# EAGLE board Mk4 Final a Panel score 2x5 (EAGLE 9.0.1), part 5 of 29
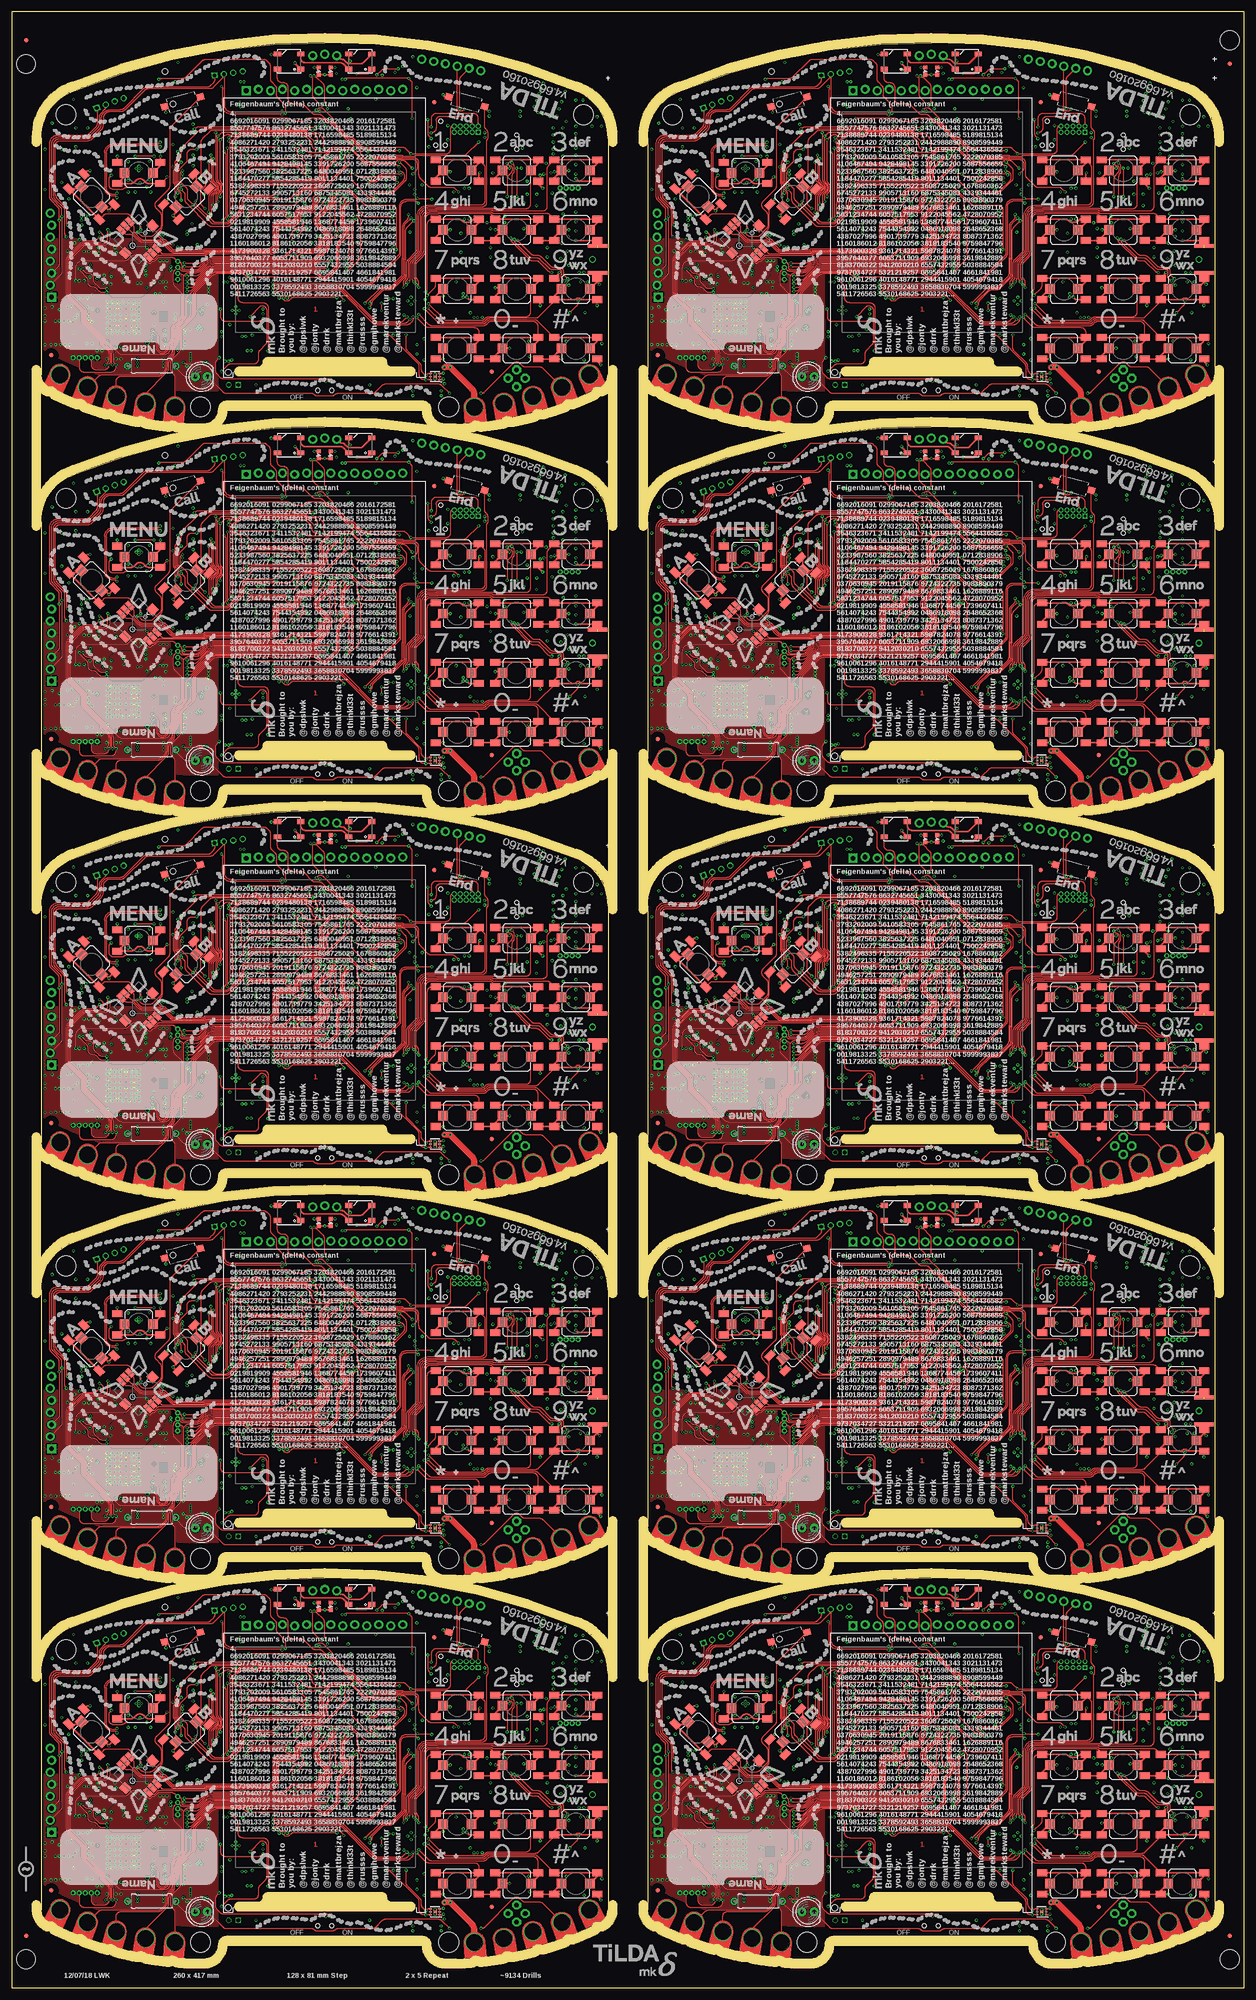
[diagram p0: board, top side]
## Library data of the parts
ANT1-ANT20 BATT BATT1-BATT9 C1-C31 C33-C71 C78 C79 C81-C141 C143-C172 C179 C180 C182-C249 C251-C280 C287 C288 C290-C357 C359-C388 C395 C396 C398-C465 C467-C496 C503 C504 C506-C573 C575-C604 C611 C612 C614-C681 C683-C712 C719 C720 C722-C789 C791-C820 C827 C828 C830-C897 C899-C928 C935 C936 C938-C1005 C1007-C1036 C1043 C1044 C1046-C1080 D1-D20 E$4 E$11 FL1-FL10 IC1-IC180 J1 J2 J4-J6 J8-J10 J12 J14-J18 J21 J22 J24-J28 J31 J32 J34-J38 J41 J42 J44-J48 J51 J52 J54-J58 J61 J62 J64-J68 J71 J72 J74-J78 J81 J82 J84-J88 J91 J92 J94-J98 L1-L90 LCD LCD1-LCD9 LED1 LED2 LED7 LED8 LED13 LED14 LED19 LED20 LED25 LED26 LED31 LED32 LED37 LED38 LED43 LED44 LED49 LED50 LED55 LED56 LOGO1-LOGO5 LOGO7-LOGO10 LOGO12-LOGO16 LOGO18-LOGO22 LOGO24-LOGO28 LOGO30-LOGO34 LOGO36-LOGO40 LOGO42-LOGO46 LOGO48-LOGO52 LOGO54-LOGO58 LOGO60 PCB PCB1-PCB9 Q1-Q40 R1-R10 R12-R74 R76-R94 R96-R155 R157-R172 R174-R233 R235-R250 R252-R311 R313-R328 R330-R389 R391-R406 R408-R467 R469-R484 R486-R545 R547-R562 R564-R623 R625-R640 R642-R701 R703-R718 R720-R779 S1-S19 S21-S40 S42-S61 S63-S82 S84-S103 S105-S124 S126-S145 S147-S166 S168-S187 S189-S208 S210 SW1-SW10 TP19 TP38 TP57 TP76 TP95 TP114 TP133 TP152 TP171 TP190 U1-U30 X1-X40 = TiLDA Mk4 Parts
ARTWORK1-ARTWORK6 ARTWORK8-ARTWORK13 ARTWORK15-ARTWORK20 ARTWORK22-ARTWORK27 ARTWORK29-ARTWORK34 ARTWORK36-ARTWORK41 ARTWORK43-ARTWORK48 ARTWORK50-ARTWORK55 ARTWORK57-ARTWORK62 ARTWORK64-ARTWORK69 C32 C72-C77 C80 C142 C173-C178 C181 C250 C281-C286 C289 C358 C389-C394 C397 C466 C497-C502 C505 C574 C605-C610 C613 C682 C713-C718 C721 C790 C821-C826 C829 C898 C929-C934 C937 C1006 C1037-C1042 C1045 FID1-FID60 J3 J11 J13 J20 J23 J30 J33 J40 J43 J50 J53 J60 J63 J70 J73 J80 J83 J90 J93 J100 JP1-JP90 LAYERS1-LAYERS10 LED5 LED11 LED17 LED23 LED29 LED35 LED41 LED47 LED53 LED59 R11 R75 R95 R156 R173 R234 R251 R312 R329 R390 R407 R468 R485 R546 R563 R624 R641 R702 R719 R780 S20 S41 S62 S83 S104 S125 S146 S167 S188 S209 = TiLDA Mk4 Parts; DNP: Y
ARTWORK7 ARTWORK14 ARTWORK21 ARTWORK28 ARTWORK35 ARTWORK42 ARTWORK49 ARTWORK56 ARTWORK63 ARTWORK70 = TiLDA Mk4 Parts; DNY: Y
E$1-E$3 E$5-E$7 E$10 E$12 E$13 = TiLDA Mk3 Parts
J7 J19 J29 J39 J49 J59 J69 J79 J89 J99 = CISECO eaglecad designs; DNP: Y
LED3 LED6 LED9 LED12 LED15 LED18 LED21 LED24 LED27 LED30 LED33 LED36 LED39 LED42 LED45 LED48 LED51 LED54 LED57 LED60 = TiLDA Mk4 Parts; COLOUR: RED
LED4 LED10 LED16 LED22 LED28 LED34 LED40 LED46 LED52 LED58 = TiLDA Mk4 Parts; COLOUR: GREEN
LOGO6 LOGO11 LOGO17 LOGO23 LOGO29 LOGO35 LOGO41 LOGO47 LOGO53 LOGO59 = TiLDA Mk4 Parts; PARTNO: DNP
TP1 TP20 TP39 TP58 TP77 TP96 TP115 TP134 TP153 TP172 = TiLDA Mk4 Parts; TP_SIGNAL_NAME: !HIB
TP2 TP21 TP40 TP59 TP78 TP97 TP116 TP135 TP154 TP173 = TiLDA Mk4 Parts; TP_SIGNAL_NAME: SIM_DTR
TP3 TP22 TP41 TP60 TP79 TP98 TP117 TP136 TP155 TP174 = TiLDA Mk4 Parts; TP_SIGNAL_NAME: SIM_DCD
TP4 TP23 TP42 TP61 TP80 TP99 TP118 TP137 TP156 TP175 = TiLDA Mk4 Parts; TP_SIGNAL_NAME: SIM_CTS
TP5 TP24 TP43 TP62 TP81 TP100 TP119 TP138 TP157 TP176 = TiLDA Mk4 Parts; TP_SIGNAL_NAME: SIM_RTS
TP6 TP25 TP44 TP63 TP82 TP101 TP120 TP139 TP158 TP177 = TiLDA Mk4 Parts; TP_SIGNAL_NAME: USB_ID
TP7 TP26 TP45 TP64 TP83 TP102 TP121 TP140 TP159 TP178 = TiLDA Mk4 Parts; TP_SIGNAL_NAME: USB_VBUS
TP8 TP27 TP46 TP65 TP84 TP103 TP122 TP141 TP160 TP179 = TiLDA Mk4 Parts; TP_SIGNAL_NAME: SIM_RXD
TP9 TP28 TP47 TP66 TP85 TP104 TP123 TP142 TP161 TP180 = TiLDA Mk4 Parts; TP_SIGNAL_NAME: SIM_TXD
TP10 TP29 TP48 TP67 TP86 TP105 TP124 TP143 TP162 TP181 = TiLDA Mk4 Parts; TP_SIGNAL_NAME: SIM_RI
TP11 TP30 TP49 TP68 TP87 TP106 TP125 TP144 TP163 TP182 = TiLDA Mk4 Parts; TP_SIGNAL_NAME: SIM_STATUS
TP12 TP31 TP50 TP69 TP88 TP107 TP126 TP145 TP164 TP183 = TiLDA Mk4 Parts; TP_SIGNAL_NAME: SIM_NETLIGHT
TP13 TP32 TP51 TP70 TP89 TP108 TP127 TP146 TP165 TP184 = TiLDA Mk4 Parts; TP_SIGNAL_NAME: SIM_PWR_KEY
TP14 TP33 TP52 TP71 TP90 TP109 TP128 TP147 TP166 TP185 = TiLDA Mk4 Parts; TP_SIGNAL_NAME: VBAT
TP15 TP34 TP53 TP72 TP91 TP110 TP129 TP148 TP167 TP186 = TiLDA Mk4 Parts; TP_SIGNAL_NAME: VBATT
TP16 TP35 TP54 TP73 TP92 TP111 TP130 TP149 TP168 TP187 = TiLDA Mk4 Parts; TP_SIGNAL_NAME: 3V3
TP17 TP36 TP55 TP74 TP93 TP112 TP131 TP150 TP169 TP188 = TiLDA Mk4 Parts; TP_SIGNAL_NAME: GND
TP18 TP37 TP56 TP75 TP94 TP113 TP132 TP151 TP170 TP189 = TiLDA Mk4 Parts; TP_SIGNAL_NAME: V_UNREG

## Nets
3V1: C109.2 C110.2 C112.2 C113.2 C114.2 C115.2 C119.2 C120.2 C121.2 C122.2 C123.2 C124.2 C131.2 C132.2 C133.2 C134.2 C135.2 C136.2 C137.2 C138.2 C143.1 C145.1 C153.2 C154.2 C171.2 C172.2 C185.1 C186.2 C196.1 C197.1 C198.1 C199.1 C200.1 C201.1 C210.1 C211.1 C212.1 C215.1 C216.1 IC19.1 IC19.3 IC19.9 IC19.14 IC19.27 IC19.43 IC19.49 IC20.7 IC20.8 IC20.9 IC20.16 IC20.26 IC20.28 IC20.39 IC20.47 IC20.51 IC20.52 IC20.68 IC20.69 IC20.79 IC20.90 IC20.101 IC20.113 IC20.122 IC22.8 IC26.8 IC27.14 IC28.6 IC29.10 IC29.37 IC29.39 IC29.44 IC29.47 IC29.54 IC30.8 IC31.21 IC32.5 IC34.1 IC35.5 IC36.1 J6.1 J6.7 J6.8 J6.9 J6.35 J6.40 J6.41 J6.42 J13.1 J16.3 J16.7 J18.3 J18.7 J20.2 JP10.1 JP12.8 JP12.11 JP12.14 JP17.8 L11.2 PCB1.3V3 R88.2 R89.2 R93.1 R94.1 R95.2 R103.2 R104.2 R105.2 R106.2 R128.2 R134.2 R138.1 R144.1 R145.2 R146.2 R147.2 R151.2 R152.2 SW2.COM TP35.TP
3V2: C217.2 C218.2 C220.2 C221.2 C222.2 C223.2 C227.2 C228.2 C229.2 C230.2 C231.2 C232.2 C239.2 C240.2 C241.2 C242.2 C243.2 C244.2 C245.2 C246.2 C251.1 C253.1 C261.2 C262.2 C279.2 C280.2 C293.1 C294.2 C304.1 C305.1 C306.1 C307.1 C308.1 C309.1 C318.1 C319.1 C320.1 C323.1 C324.1 IC37.1 IC37.3 IC37.9 IC37.14 IC37.27 IC37.43 IC37.49 IC38.7 IC38.8 IC38.9 IC38.16 IC38.26 IC38.28 IC38.39 IC38.47 IC38.51 IC38.52 IC38.68 IC38.69 IC38.79 IC38.90 IC38.101 IC38.113 IC38.122 IC40.8 IC44.8 IC45.14 IC46.6 IC47.10 IC47.37 IC47.39 IC47.44 IC47.47 IC47.54 IC48.8 IC49.21 IC50.5 IC52.1 IC53.5 IC54.1 J21.1 J21.7 J21.8 J21.9 J21.35 J21.40 J21.41 J21.42 J23.1 J26.3 J26.7 J28.3 J28.7 J30.2 JP19.1 JP21.8 JP21.11 JP21.14 JP26.8 L20.2 PCB2.3V3 R166.2 R167.2 R171.1 R172.1 R173.2 R181.2 R182.2 R183.2 R184.2 R206.2 R212.2 R216.1 R222.1 R223.2 R224.2 R225.2 R229.2 R230.2 SW3.COM TP54.TP
3V3: C2.2 C3.2 C4.2 C5.2 C9.2 C10.2 C11.2 C12.2 C13.2 C14.2 C21.2 C22.2 C23.2 C24.2 C25.2 C26.2 C27.2 C28.2 C33.1 C38.2 C42.2 C43.2 C45.2 C47.1 C58.1 C59.2 C70.2 C71.2 C88.1 C89.1 C90.1 C91.1 C92.1 C93.1 C102.1 C103.1 C104.1 C107.1 C108.1 IC1.7 IC1.8 IC1.9 IC1.16 IC1.26 IC1.28 IC1.39 IC1.47 IC1.51 IC1.52 IC1.68 IC1.69 IC1.79 IC1.90 IC1.101 IC1.113 IC1.122 IC2.1 IC2.3 IC2.9 IC2.14 IC2.27 IC2.43 IC2.49 IC3.5 IC4.21 IC6.8 IC11.8 IC12.14 IC13.6 IC14.8 IC15.10 IC15.37 IC15.39 IC15.44 IC15.47 IC15.54 IC16.5 IC17.1 IC18.1 J2.1 J2.7 J2.8 J2.9 J2.35 J2.40 J2.41 J2.42 J3.1 J8.3 J8.7 J10.3 J10.7 J11.2 JP4.1 JP6.8 JP7.8 JP7.11 JP7.14 L4.2 PCB.3V3 R4.2 R5.2 R9.1 R10.1 R11.2 R21.2 R22.2 R23.2 R24.2 R50.2 R56.2 R60.1 R66.1 R67.2 R68.2 R69.2 R73.2 R76.2 SW1.COM TP16.TP
3V4: C325.2 C326.2 C328.2 C329.2 C330.2 C331.2 C335.2 C336.2 C337.2 C338.2 C339.2 C340.2 C347.2 C348.2 C349.2 C350.2 C351.2 C352.2 C353.2 C354.2 C359.1 C361.1 C369.2 C370.2 C387.2 C388.2 C401.1 C402.2 C412.1 C413.1 C414.1 C415.1 C416.1 C417.1 C426.1 C427.1 C428.1 C431.1 C432.1 IC55.1 IC55.3 IC55.9 IC55.14 IC55.27 IC55.43 IC55.49 IC56.7 IC56.8 IC56.9 IC56.16 IC56.26 IC56.28 IC56.39 IC56.47 IC56.51 IC56.52 IC56.68 IC56.69 IC56.79 IC56.90 IC56.101 IC56.113 IC56.122 IC58.8 IC62.8 IC63.14 IC64.6 IC65.10 IC65.37 IC65.39 IC65.44 IC65.47 IC65.54 IC66.8 IC67.21 IC68.5 IC70.1 IC71.5 IC72.1 J31.1 J31.7 J31.8 J31.9 J31.35 J31.40 J31.41 J31.42 J33.1 J36.3 J36.7 J38.3 J38.7 J40.2 JP28.1 JP30.8 JP30.11 JP30.14 JP35.8 L29.2 PCB3.3V3 R244.2 R245.2 R249.1 R250.1 R251.2 R259.2 R260.2 R261.2 R262.2 R284.2 R290.2 R294.1 R300.1 R301.2 R302.2 R303.2 R307.2 R308.2 SW4.COM TP73.TP
3V5: C433.2 C434.2 C436.2 C437.2 C438.2 C439.2 C443.2 C444.2 C445.2 C446.2 C447.2 C448.2 C455.2 C456.2 C457.2 C458.2 C459.2 C460.2 C461.2 C462.2 C467.1 C469.1 C477.2 C478.2 C495.2 C496.2 C509.1 C510.2 C520.1 C521.1 C522.1 C523.1 C524.1 C525.1 C534.1 C535.1 C536.1 C539.1 C540.1 IC73.1 IC73.3 IC73.9 IC73.14 IC73.27 IC73.43 IC73.49 IC74.7 IC74.8 IC74.9 IC74.16 IC74.26 IC74.28 IC74.39 IC74.47 IC74.51 IC74.52 IC74.68 IC74.69 IC74.79 IC74.90 IC74.101 IC74.113 IC74.122 IC76.8 IC80.8 IC81.14 IC82.6 IC83.10 IC83.37 IC83.39 IC83.44 IC83.47 IC83.54 IC84.8 IC85.21 IC86.5 IC88.1 IC89.5 IC90.1 J41.1 J41.7 J41.8 J41.9 J41.35 J41.40 J41.41 J41.42 J43.1 J46.3 J46.7 J48.3 J48.7 J50.2 JP37.1 JP39.8 JP39.11 JP39.14 JP44.8 L38.2 PCB4.3V3 R322.2 R323.2 R327.1 R328.1 R329.2 R337.2 R338.2 R339.2 R340.2 R362.2 R368.2 R372.1 R378.1 R379.2 R380.2 R381.2 R385.2 R386.2 SW5.COM TP92.TP
3V6: C541.2 C542.2 C544.2 C545.2 C546.2 C547.2 C551.2 C552.2 C553.2 C554.2 C555.2 C556.2 C563.2 C564.2 C565.2 C566.2 C567.2 C568.2 C569.2 C570.2 C575.1 C577.1 C585.2 C586.2 C603.2 C604.2 C617.1 C618.2 C628.1 C629.1 C630.1 C631.1 C632.1 C633.1 C642.1 C643.1 C644.1 C647.1 C648.1 IC91.1 IC91.3 IC91.9 IC91.14 IC91.27 IC91.43 IC91.49 IC92.7 IC92.8 IC92.9 IC92.16 IC92.26 IC92.28 IC92.39 IC92.47 IC92.51 IC92.52 IC92.68 IC92.69 IC92.79 IC92.90 IC92.101 IC92.113 IC92.122 IC94.8 IC98.8 IC99.14 IC100.6 IC101.10 IC101.37 IC101.39 IC101.44 IC101.47 IC101.54 IC102.8 IC103.21 IC104.5 IC106.1 IC107.5 IC108.1 J51.1 J51.7 J51.8 J51.9 J51.35 J51.40 J51.41 J51.42 J53.1 J56.3 J56.7 J58.3 J58.7 J60.2 JP46.1 JP48.8 JP48.11 JP48.14 JP53.8 L47.2 PCB5.3V3 R400.2 R401.2 R405.1 R406.1 R407.2 R415.2 R416.2 R417.2 R418.2 R440.2 R446.2 R450.1 R456.1 R457.2 R458.2 R459.2 R463.2 R464.2 SW6.COM TP111.TP
3V7: C649.2 C650.2 C652.2 C653.2 C654.2 C655.2 C659.2 C660.2 C661.2 C662.2 C663.2 C664.2 C671.2 C672.2 C673.2 C674.2 C675.2 C676.2 C677.2 C678.2 C683.1 C685.1 C693.2 C694.2 C711.2 C712.2 C725.1 C726.2 C736.1 C737.1 C738.1 C739.1 C740.1 C741.1 C750.1 C751.1 C752.1 C755.1 C756.1 IC109.1 IC109.3 IC109.9 IC109.14 IC109.27 IC109.43 IC109.49 IC110.7 IC110.8 IC110.9 IC110.16 IC110.26 IC110.28 IC110.39 IC110.47 IC110.51 IC110.52 IC110.68 IC110.69 IC110.79 IC110.90 IC110.101 IC110.113 IC110.122 IC112.8 IC116.8 IC117.14 IC118.6 IC119.10 IC119.37 IC119.39 IC119.44 IC119.47 IC119.54 IC120.8 IC121.21 IC122.5 IC124.1 IC125.5 IC126.1 J61.1 J61.7 J61.8 J61.9 J61.35 J61.40 J61.41 J61.42 J63.1 J66.3 J66.7 J68.3 J68.7 J70.2 JP55.1 JP57.8 JP57.11 JP57.14 JP62.8 L56.2 PCB6.3V3 R478.2 R479.2 R483.1 R484.1 R485.2 R493.2 R494.2 R495.2 R496.2 R518.2 R524.2 R528.1 R534.1 R535.2 R536.2 R537.2 R541.2 R542.2 SW7.COM TP130.TP
3V8: C757.2 C758.2 C760.2 C761.2 C762.2 C763.2 C767.2 C768.2 C769.2 C770.2 C771.2 C772.2 C779.2 C780.2 C781.2 C782.2 C783.2 C784.2 C785.2 C786.2 C791.1 C793.1 C801.2 C802.2 C819.2 C820.2 C833.1 C834.2 C844.1 C845.1 C846.1 C847.1 C848.1 C849.1 C858.1 C859.1 C860.1 C863.1 C864.1 IC127.1 IC127.3 IC127.9 IC127.14 IC127.27 IC127.43 IC127.49 IC128.7 IC128.8 IC128.9 IC128.16 IC128.26 IC128.28 IC128.39 IC128.47 IC128.51 IC128.52 IC128.68 IC128.69 IC128.79 IC128.90 IC128.101 IC128.113 IC128.122 IC130.8 IC134.8 IC135.14 IC136.6 IC137.10 IC137.37 IC137.39 IC137.44 IC137.47 IC137.54 IC138.8 IC139.21 IC140.5 IC142.1 IC143.5 IC144.1 J71.1 J71.7 J71.8 J71.9 J71.35 J71.40 J71.41 J71.42 J73.1 J76.3 J76.7 J78.3 J78.7 J80.2 JP64.1 JP66.8 JP66.11 JP66.14 JP71.8 L65.2 PCB7.3V3 R556.2 R557.2 R561.1 R562.1 R563.2 R571.2 R572.2 R573.2 R574.2 R596.2 R602.2 R606.1 R612.1 R613.2 R614.2 R615.2 R619.2 R620.2 SW8.COM TP149.TP
3V9: C865.2 C866.2 C868.2 C869.2 C870.2 C871.2 C875.2 C876.2 C877.2 C878.2 C879.2 C880.2 C887.2 C888.2 C889.2 C890.2 C891.2 C892.2 C893.2 C894.2 C899.1 C901.1 C909.2 C910.2 C927.2 C928.2 C941.1 C942.2 C952.1 C953.1 C954.1 C955.1 C956.1 C957.1 C966.1 C967.1 C968.1 C971.1 C972.1 IC145.1 IC145.3 IC145.9 IC145.14 IC145.27 IC145.43 IC145.49 IC146.7 IC146.8 IC146.9 IC146.16 IC146.26 IC146.28 IC146.39 IC146.47 IC146.51 IC146.52 IC146.68 IC146.69 IC146.79 IC146.90 IC146.101 IC146.113 IC146.122 IC148.8 IC152.8 IC153.14 IC154.6 IC155.10 IC155.37 IC155.39 IC155.44 IC155.47 IC155.54 IC156.8 IC157.21 IC158.5 IC160.1 IC161.5 IC162.1 J81.1 J81.7 J81.8 J81.9 J81.35 J81.40 J81.41 J81.42 J83.1 J86.3 J86.7 J88.3 J88.7 J90.2 JP73.1 JP75.8 JP75.11 JP75.14 JP80.8 L74.2 PCB8.3V3 R634.2 R635.2 R639.1 R640.1 R641.2 R649.2 R650.2 R651.2 R652.2 R674.2 R680.2 R684.1 R690.1 R691.2 R692.2 R693.2 R697.2 R698.2 SW9.COM TP168.TP
3V10: C973.2 C974.2 C976.2 C977.2 C978.2 C979.2 C983.2 C984.2 C985.2 C986.2 C987.2 C988.2 C995.2 C996.2 C997.2 C998.2 C999.2 C1000.2 C1001.2 C1002.2 C1007.1 C1009.1 C1017.2 C1018.2 C1035.2 C1036.2 C1049.1 C1050.2 C1060.1 C1061.1 C1062.1 C1063.1 C1064.1 C1065.1 C1074.1 C1075.1 C1076.1 C1079.1 C1080.1 IC163.1 IC163.3 IC163.9 IC163.14 IC163.27 IC163.43 IC163.49 IC164.7 IC164.8 IC164.9 IC164.16 IC164.26 IC164.28 IC164.39 IC164.47 IC164.51 IC164.52 IC164.68 IC164.69 IC164.79 IC164.90 IC164.101 IC164.113 IC164.122 IC166.8 IC170.8 IC171.14 IC172.6 IC173.10 IC173.37 IC173.39 IC173.44 IC173.47 IC173.54 IC174.8 IC175.21 IC176.5 IC178.1 IC179.5 IC180.1 J91.1 J91.7 J91.8 J91.9 J91.35 J91.40 J91.41 J91.42 J93.1 J96.3 J96.7 J98.3 J98.7 J100.2 JP82.1 JP84.8 JP84.11 JP84.14 JP89.8 L83.2 PCB9.3V3 R712.2 R713.2 R717.1 R718.1 R719.2 R727.2 R728.2 R729.2 R730.2 R752.2 R758.2 R762.1 R768.1 R769.2 R770.2 R771.2 R775.2 R776.2 SW10.COM TP187.TP
!HIB: IC1.65 TP1.TP
!HIB1: IC20.65 TP20.TP
!HIB2: IC38.65 TP39.TP
!HIB3: IC56.65 TP58.TP
!HIB4: IC74.65 TP77.TP
!HIB5: IC92.65 TP96.TP
!HIB6: IC110.65 TP115.TP
!HIB7: IC128.65 TP134.TP
!HIB8: IC146.65 TP153.TP
!HIB9: IC164.65 TP172.TP
!RESET: C15.2 IC1.70 J3.10 R4.1 S19.2
!RESET1: C125.2 IC20.70 J13.10 R88.1 S40.2
!RESET2: C233.2 IC38.70 J23.10 R166.1 S61.2
!RESET3: C341.2 IC56.70 J33.10 R244.1 S82.2
!RESET4: C449.2 IC74.70 J43.10 R322.1 S103.2
!RESET5: C557.2 IC92.70 J53.10 R400.1 S124.2
!RESET6: C665.2 IC110.70 J63.10 R478.1 S145.2
!RESET7: C773.2 IC128.70 J73.10 R556.1 S166.2
!RESET8: C881.2 IC146.70 J83.10 R634.1 S187.2
!RESET9: C989.2 IC164.70 J93.10 R712.1 S208.2
!WAKE: IC1.64 R5.1 S20.2
!WAKE1: IC20.64 R89.1 S41.2
!WAKE2: IC38.64 R167.1 S62.2
!WAKE3: IC56.64 R245.1 S83.2
!WAKE4: IC74.64 R323.1 S104.2
!WAKE5: IC92.64 R401.1 S125.2
!WAKE6: IC110.64 R479.1 S146.2
!WAKE7: IC128.64 R557.1 S167.2
!WAKE8: IC146.64 R635.1 S188.2
!WAKE9: IC164.64 R713.1 S209.2
ADC1_HALL: IC1.13 IC18.2
ADC1_HALL1: IC20.13 IC36.2
ADC1_HALL2: IC38.13 IC54.2
ADC1_HALL3: IC56.13 IC72.2
ADC1_HALL4: IC74.13 IC90.2
ADC1_HALL5: IC92.13 IC108.2
ADC1_HALL6: IC110.13 IC126.2
ADC1_HALL7: IC128.13 IC144.2
ADC1_HALL8: IC146.13 IC162.2
ADC1_HALL9: IC164.13 IC180.2
AIN6_SPK_ADC: IC1.126 IC11.7 R46.2
AIN6_SPK_ADC1: IC20.126 IC26.7 R127.2
AIN6_SPK_ADC2: IC38.126 IC44.7 R205.2
AIN6_SPK_ADC3: IC56.126 IC62.7 R283.2
AIN6_SPK_ADC4: IC74.126 IC80.7 R361.2
AIN6_SPK_ADC5: IC92.126 IC98.7 R439.2
AIN6_SPK_ADC6: IC110.126 IC116.7 R517.2
AIN6_SPK_ADC7: IC128.126 IC134.7 R595.2
AIN6_SPK_ADC8: IC146.126 IC152.7 R673.2
AIN6_SPK_ADC9: IC164.126 IC170.7 R751.2
AMP_!SHUTDOWN: IC1.46 IC13.1 R74.1
AMP_!SHUTDOWN1: IC20.46 IC28.1 R155.1
AMP_!SHUTDOWN2: IC38.46 IC46.1 R233.1
AMP_!SHUTDOWN3: IC56.46 IC64.1 R311.1
AMP_!SHUTDOWN4: IC74.46 IC82.1 R389.1
AMP_!SHUTDOWN5: IC92.46 IC100.1 R467.1
AMP_!SHUTDOWN6: IC110.46 IC118.1 R545.1
AMP_!SHUTDOWN7: IC128.46 IC136.1 R623.1
AMP_!SHUTDOWN8: IC146.46 IC154.1 R701.1
AMP_!SHUTDOWN9: IC164.46 IC172.1 R779.1
AMP_IN_N [Audio]: IC13.4 R58.2 R78.2
AMP_IN_N1 [Audio]: IC28.4 R136.2 R154.2
AMP_IN_N2 [Audio]: IC46.4 R214.2 R232.2
AMP_IN_N3 [Audio]: IC64.4 R292.2 R310.2
AMP_IN_N4 [Audio]: IC82.4 R370.2 R388.2
AMP_IN_N5 [Audio]: IC100.4 R448.2 R466.2
AMP_IN_N6 [Audio]: IC118.4 R526.2 R544.2
AMP_IN_N7 [Audio]: IC136.4 R604.2 R622.2
AMP_IN_N8 [Audio]: IC154.4 R682.2 R700.2
AMP_IN_N9 [Audio]: IC172.4 R760.2 R778.2
AMP_IN_P [Audio]: J9.2 J9.3 R57.2 R75.2 R77.2
AMP_IN_P1 [Audio]: J17.2 J17.3 R135.2 R153.2 R156.2
AMP_IN_P2 [Audio]: J27.2 J27.3 R213.2 R231.2 R234.2
AMP_IN_P3 [Audio]: J37.2 J37.3 R291.2 R309.2 R312.2
AMP_IN_P4 [Audio]: J47.2 J47.3 R369.2 R387.2 R390.2
AMP_IN_P5 [Audio]: J57.2 J57.3 R447.2 R465.2 R468.2
AMP_IN_P6 [Audio]: J67.2 J67.3 R525.2 R543.2 R546.2
AMP_IN_P7 [Audio]: J77.2 J77.3 R603.2 R621.2 R624.2
AMP_IN_P8 [Audio]: J87.2 J87.3 R681.2 R699.2 R702.2
AMP_IN_P9 [Audio]: J97.2 J97.3 R759.2 R777.2 R780.2
AMP_IN_R1_N: C106.1 R78.1
AMP_IN_R1_N1: C214.1 R154.1
AMP_IN_R1_N2: C322.1 R232.1
AMP_IN_R1_N3: C430.1 R310.1
AMP_IN_R1_N4: C538.1 R388.1
AMP_IN_R1_N5: C646.1 R466.1
AMP_IN_R1_N6: C754.1 R544.1
AMP_IN_R1_N7: C862.1 R622.1
AMP_IN_R1_N8: C970.1 R700.1
AMP_IN_R1_N9: C1078.1 R778.1
AMP_IN_R1_P: C105.1 R77.1
AMP_IN_R1_P1: C213.1 R153.1
AMP_IN_R1_P2: C321.1 R231.1
AMP_IN_R1_P3: C429.1 R309.1
AMP_IN_R1_P4: C537.1 R387.1
AMP_IN_R1_P5: C645.1 R465.1
AMP_IN_R1_P6: C753.1 R543.1
AMP_IN_R1_P7: C861.1 R621.1
AMP_IN_R1_P8: C969.1 R699.1
AMP_IN_R1_P9: C1077.1 R777.1
AMP_IN_R_N [Audio]: C82.1 R58.1
AMP_IN_R_N1 [Audio]: C183.1 R136.1
AMP_IN_R_N2 [Audio]: C291.1 R214.1
AMP_IN_R_N3 [Audio]: C399.1 R292.1
AMP_IN_R_N4 [Audio]: C507.1 R370.1
AMP_IN_R_N5 [Audio]: C615.1 R448.1
AMP_IN_R_N6 [Audio]: C723.1 R526.1
AMP_IN_R_N7 [Audio]: C831.1 R604.1
AMP_IN_R_N8 [Audio]: C939.1 R682.1
AMP_IN_R_N9 [Audio]: C1047.1 R760.1
AMP_IN_R_P [Audio]: C83.1 R57.1
AMP_IN_R_P1 [Audio]: C184.1 R135.1
AMP_IN_R_P2 [Audio]: C292.1 R213.1
AMP_IN_R_P3 [Audio]: C400.1 R291.1
AMP_IN_R_P4 [Audio]: C508.1 R369.1
AMP_IN_R_P5 [Audio]: C616.1 R447.1
AMP_IN_R_P6 [Audio]: C724.1 R525.1
AMP_IN_R_P7 [Audio]: C832.1 R603.1
AMP_IN_R_P8 [Audio]: C940.1 R681.1
AMP_IN_R_P9 [Audio]: C1048.1 R759.1
AMP_IN_TRS_P [Audio]: IC13.3 J9.5 J9.6 R75.1
AMP_IN_TRS_P1 [Audio]: IC28.3 J17.5 J17.6 R156.1
AMP_IN_TRS_P2 [Audio]: IC46.3 J27.5 J27.6 R234.1
AMP_IN_TRS_P3 [Audio]: IC64.3 J37.5 J37.6 R312.1
AMP_IN_TRS_P4 [Audio]: IC82.3 J47.5 J47.6 R390.1
AMP_IN_TRS_P5 [Audio]: IC100.3 J57.5 J57.6 R468.1
AMP_IN_TRS_P6 [Audio]: IC118.3 J67.5 J67.6 R546.1
AMP_IN_TRS_P7 [Audio]: IC136.3 J77.5 J77.6 R624.1
AMP_IN_TRS_P8 [Audio]: IC154.3 J87.5 J87.6 R702.1
AMP_IN_TRS_P9 [Audio]: IC172.3 J97.5 J97.6 R780.1
BQ_!CE: IC8.9 R17.1
BQ_!CE1: IC24.9 R99.1
BQ_!CE2: IC42.9 R177.1
BQ_!CE3: IC60.9 R255.1
BQ_!CE4: IC78.9 R333.1
BQ_!CE5: IC96.9 R411.1
BQ_!CE6: IC114.9 R489.1
BQ_!CE7: IC132.9 R567.1
BQ_!CE8: IC150.9 R645.1
BQ_!CE9: IC168.9 R723.1
BQ_!INT: IC1.14 IC8.7
BQ_!INT1: IC20.14 IC24.7
BQ_!INT2: IC38.14 IC42.7
BQ_!INT3: IC56.14 IC60.7
BQ_!INT4: IC74.14 IC78.7
BQ_!INT5: IC92.14 IC96.7
BQ_!INT6: IC110.14 IC114.7
BQ_!INT7: IC128.14 IC132.7
BQ_!INT8: IC146.14 IC150.7
BQ_!INT9: IC164.14 IC168.7
BQ_!PG: IC8.3
BQ_!PG1: IC24.3
BQ_!PG2: IC42.3
BQ_!PG3: IC60.3
BQ_!PG4: IC78.3
BQ_!PG5: IC96.3
BQ_!PG6: IC114.3
BQ_!PG7: IC132.3
BQ_!PG8: IC150.3
BQ_!PG9: IC168.3
BQ_!QON: IC8.12 JP3.2
BQ_!QON1: IC24.12 JP13.2
BQ_!QON2: IC42.12 JP22.2
BQ_!QON3: IC60.12 JP31.2
BQ_!QON4: IC78.12 JP40.2
BQ_!QON5: IC96.12 JP49.2
BQ_!QON6: IC114.12 JP58.2
BQ_!QON7: IC132.12 JP67.2
BQ_!QON8: IC150.12 JP76.2
BQ_!QON9: IC168.12 JP85.2
BQ_PMID: C36.1 IC8.23
BQ_PMID1: C148.1 IC24.23
BQ_PMID2: C256.1 IC42.23
BQ_PMID3: C364.1 IC60.23
BQ_PMID4: C472.1 IC78.23
BQ_PMID5: C580.1 IC96.23
BQ_PMID6: C688.1 IC114.23
BQ_PMID7: C796.1 IC132.23
BQ_PMID8: C904.1 IC150.23
BQ_PMID9: C1012.1 IC168.23
BQ_PSEL: IC8.2 R18.1 R19.1
BQ_PSEL1: IC24.2 R100.1 R101.1
BQ_PSEL2: IC42.2 R178.1 R179.1
BQ_PSEL3: IC60.2 R256.1 R257.1
BQ_PSEL4: IC78.2 R334.1 R335.1
BQ_PSEL5: IC96.2 R412.1 R413.1
BQ_PSEL6: IC114.2 R490.1 R491.1
BQ_PSEL7: IC132.2 R568.1 R569.1
BQ_PSEL8: IC150.2 R646.1 R647.1
BQ_PSEL9: IC168.2 R724.1 R725.1
BQ_REGN: C39.2 IC8.22 R16.2
BQ_REGN1: C149.2 IC24.22 R98.2
BQ_REGN2: C257.2 IC42.22 R176.2
BQ_REGN3: C365.2 IC60.22 R254.2
BQ_REGN4: C473.2 IC78.22 R332.2
BQ_REGN5: C581.2 IC96.22 R410.2
BQ_REGN6: C689.2 IC114.22 R488.2
BQ_REGN7: C797.2 IC132.22 R566.2
BQ_REGN8: C905.2 IC150.22 R644.2
BQ_REGN9: C1013.2 IC168.22 R722.2
BQ_STAT: IC8.4 R20.1
BQ_STAT1: IC24.4 R102.1
BQ_STAT2: IC42.4 R180.1
BQ_STAT3: IC60.4 R258.1
BQ_STAT4: IC78.4 R336.1
BQ_STAT5: IC96.4 R414.1
BQ_STAT6: IC114.4 R492.1
BQ_STAT7: IC132.4 R570.1
BQ_STAT8: IC150.4 R648.1
BQ_STAT9: IC168.4 R726.1
BQ_STAT_R: LED6.C R20.2
BQ_STAT_R1: LED12.C R102.2
BQ_STAT_R2: LED18.C R180.2
BQ_STAT_R3: LED24.C R258.2
BQ_STAT_R4: LED30.C R336.2
BQ_STAT_R5: LED36.C R414.2
BQ_STAT_R6: LED42.C R492.2
BQ_STAT_R7: LED48.C R570.2
BQ_STAT_R8: LED54.C R648.2
BQ_STAT_R9: LED60.C R726.2
BQ_SW: C37.2 IC8.19 IC8.20 L1.1
BQ_SW1: C150.2 IC24.19 IC24.20 L12.1
BQ_SW2: C258.2 IC42.19 IC42.20 L21.1
BQ_SW3: C366.2 IC60.19 IC60.20 L30.1
BQ_SW4: C474.2 IC78.19 IC78.20 L39.1
BQ_SW5: C582.2 IC96.19 IC96.20 L48.1
BQ_SW6: C690.2 IC114.19 IC114.20 L57.1
BQ_SW7: C798.2 IC132.19 IC132.20 L66.1
BQ_SW8: C906.2 IC150.19 IC150.20 L75.1
BQ_SW9: C1014.2 IC168.19 IC168.20 L84.1
BQ_TS: IC8.11 R15.2 R16.1
BQ_TS1: IC24.11 R97.2 R98.1
BQ_TS2: IC42.11 R175.2 R176.1
BQ_TS3: IC60.11 R253.2 R254.1
BQ_TS4: IC78.11 R331.2 R332.1
BQ_TS5: IC96.11 R409.2 R410.1
BQ_TS6: IC114.11 R487.2 R488.1
BQ_TS7: IC132.11 R565.2 R566.1
BQ_TS8: IC150.11 R643.2 R644.1
BQ_TS9: IC168.11 R721.2 R722.1
BT_ANT [50R Single]: C74.2 IC5.20 L5.1
BT_ANT1 [50R Single]: C175.2 IC21.20 L14.1
BT_ANT2 [50R Single]: C283.2 IC39.20 L23.1
BT_ANT3 [50R Single]: C391.2 IC57.20 L32.1
BT_ANT4 [50R Single]: C499.2 IC75.20 L41.1
BT_ANT5 [50R Single]: C607.2 IC93.20 L50.1
BT_ANT6 [50R Single]: C715.2 IC111.20 L59.1
BT_ANT7 [50R Single]: C823.2 IC129.20 L68.1
BT_ANT8 [50R Single]: C931.2 IC147.20 L77.1
BT_ANT9 [50R Single]: C1039.2 IC165.20 L86.1
BT_ANT_L [50R Single]: ANT2.1 C75.2 L5.2
BT_ANT_L1 [50R Single]: ANT4.1 C176.2 L14.2
BT_ANT_L2 [50R Single]: ANT6.1 C284.2 L23.2
BT_ANT_L3 [50R Single]: ANT8.1 C392.2 L32.2
BT_ANT_L4 [50R Single]: ANT10.1 C500.2 L41.2
BT_ANT_L5 [50R Single]: ANT12.1 C608.2 L50.2
BT_ANT_L6 [50R Single]: ANT14.1 C716.2 L59.2
BT_ANT_L7 [50R Single]: ANT16.1 C824.2 L68.2
BT_ANT_L8 [50R Single]: ANT18.1 C932.2 L77.2
BT_ANT_L9 [50R Single]: ANT20.1 C1040.2 L86.2
BTN_1: IC4.1 S1.2 S1.B1 S1.B2
BTN_2: IC4.3 S2.2 S2.B1 S2.B2
BTN_3: IC4.4 S3.2 S3.B1 S3.B2
BTN_4: IC4.7 S4.2 S4.B1 S4.B2
BTN_5: IC4.6 S5.2 S5.B1 S5.B2
BTN_6: IC4.5 S6.2 S6.B1 S6.B2
BTN_7: IC4.8 S7.2 S7.B1 S7.B2
BTN_8: IC4.10 S8.2 S8.B1 S8.B2
BTN_9: IC4.11 S9.2 S9.B1 S9.B2
BTN_10: IC4.14 S10.2 S10.B1 S10.B2
BTN_11: IC4.13 S11.2 S11.B1 S11.B2
BTN_12: IC4.12 S12.2 S12.B1 S12.B2
BTN_13: IC31.1 S21.2 S21.B1 S21.B2
BTN_14: IC31.3 S26.2 S26.B1 S26.B2
BTN_15: IC31.4 S30.2 S30.B1 S30.B2
BTN_16: IC31.14 S25.2 S25.B1 S25.B2
BTN_17: IC31.6 S27.2 S27.B1 S27.B2
BTN_18: IC31.10 S28.2 S28.B1 S28.B2
BTN_19: IC31.13 S29.2 S29.B1 S29.B2
BTN_20: IC31.5 S31.2 S31.B1 S31.B2
BTN_21: IC31.11 S32.2 S32.B1 S32.B2
BTN_22: IC31.12 S33.2 S33.B1 S33.B2
BTN_23: IC31.7 S23.2 S23.B1 S23.B2
BTN_24: IC31.8 S24.2 S24.B1 S24.B2
BTN_25: IC49.1 S43.2 S43.B1 S43.B2
BTN_26: IC49.3 S47.2 S47.B1 S47.B2
BTN_27: IC49.4 S51.2 S51.B1 S51.B2
BTN_28: IC49.14 S46.2 S46.B1 S46.B2
BTN_29: IC49.6 S48.2 S48.B1 S48.B2
BTN_30: IC49.10 S49.2 S49.B1 S49.B2
BTN_31: IC49.13 S50.2 S50.B1 S50.B2
BTN_32: IC49.5 S52.2 S52.B1 S52.B2
BTN_33: IC49.11 S53.2 S53.B1 S53.B2
BTN_34: IC49.12 S54.2 S54.B1 S54.B2
BTN_35: IC49.7 S44.2 S44.B1 S44.B2
BTN_36: IC49.8 S45.2 S45.B1 S45.B2
BTN_37: IC67.1 S64.2 S64.B1 S64.B2
BTN_38: IC67.3 S68.2 S68.B1 S68.B2
BTN_39: IC67.4 S72.2 S72.B1 S72.B2
BTN_40: IC67.14 S67.2 S67.B1 S67.B2
BTN_41: IC67.6 S69.2 S69.B1 S69.B2
BTN_42: IC67.10 S70.2 S70.B1 S70.B2
BTN_43: IC67.13 S71.2 S71.B1 S71.B2
BTN_44: IC67.5 S73.2 S73.B1 S73.B2
BTN_45: IC67.11 S74.2 S74.B1 S74.B2
BTN_46: IC67.12 S75.2 S75.B1 S75.B2
BTN_47: IC67.7 S65.2 S65.B1 S65.B2
BTN_48: IC67.8 S66.2 S66.B1 S66.B2
BTN_49: IC85.1 S85.2 S85.B1 S85.B2
BTN_50: IC85.3 S89.2 S89.B1 S89.B2
BTN_51: IC85.4 S93.2 S93.B1 S93.B2
BTN_52: IC85.14 S88.2 S88.B1 S88.B2
BTN_53: IC85.6 S90.2 S90.B1 S90.B2
BTN_54: IC85.10 S91.2 S91.B1 S91.B2
BTN_55: IC85.13 S92.2 S92.B1 S92.B2
BTN_56: IC85.5 S94.2 S94.B1 S94.B2
BTN_57: IC85.11 S95.2 S95.B1 S95.B2
BTN_58: IC85.12 S96.2 S96.B1 S96.B2
BTN_59: IC85.7 S86.2 S86.B1 S86.B2
BTN_60: IC85.8 S87.2 S87.B1 S87.B2
BTN_61: IC103.1 S106.2 S106.B1 S106.B2
BTN_62: IC103.3 S110.2 S110.B1 S110.B2
BTN_63: IC103.4 S114.2 S114.B1 S114.B2
BTN_64: IC103.14 S109.2 S109.B1 S109.B2
BTN_65: IC103.6 S111.2 S111.B1 S111.B2
BTN_66: IC103.10 S112.2 S112.B1 S112.B2